# KiCad board BUDDY_v1.0.0.kicad_pcb (continued)
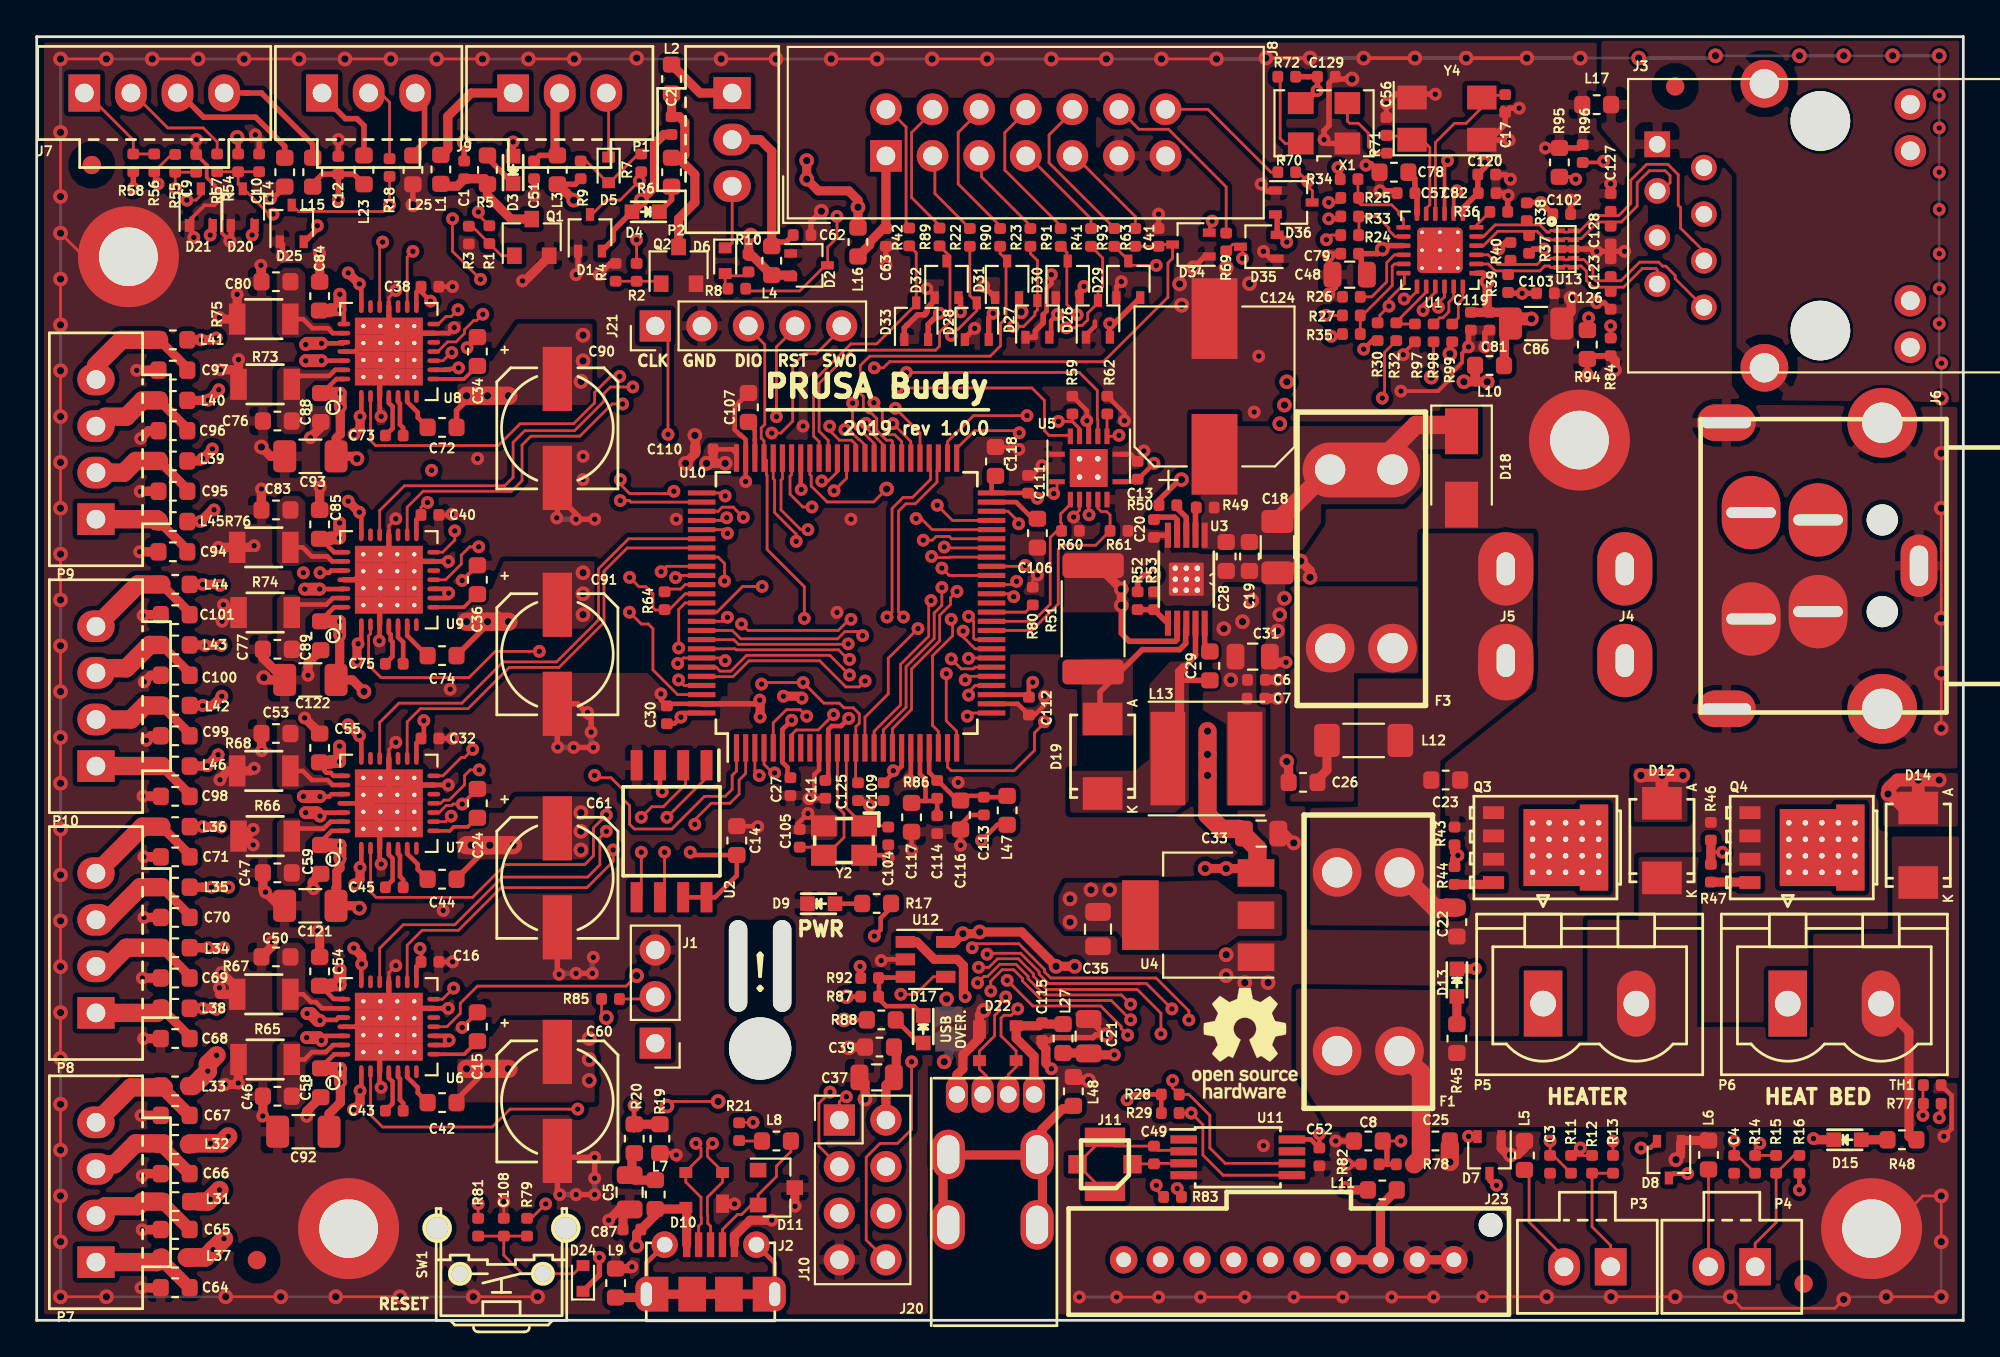
[diagram p0: board, top side]
## Placement (name value [footprint] x y rotation side) (continued)
R25  33R  [R_0402_1005Metric]  71.56 61.21 0 top
R26  10k  [R_0402_1005Metric]  71.65 55.81 0 top
R27  33R  [R_0402_1005Metric]  71.65 54.8 0 top
R28  1k5  [R_0402_1005Metric]  61.78 12.32 180 top
R29  1k5  [R_0402_1005Metric]  61.78 11.3 180 top
R30  1k5  [R_0402_1005Metric]  73.08 53.91 90 top
R32  33R  [R_0402_1005Metric]  74.1 53.91 90 top
R33  10k  [R_0402_1005Metric]  71.56 60.2 0 top
R34  10k  [R_0402_1005Metric]  71.52 62.23 0 top
R35  10k  [R_0402_1005Metric]  71.65 53.78 0 top
R36  12k1  [R_0402_1005Metric]  79.69 60.45 0 top
R37  49.9R  [R_0402_1005Metric]  81.34 58.67 90 top
R38  49.9R  [R_0402_1005Metric]  81.21 60.45 270 top
R39  49.9R  [R_0402_1005Metric]  80.19 56.54 90 top
R40  49.9R  [R_0402_1005Metric]  80.32 58.29 270 top
R41  100R  [R_0402_1005Metric]  57.46 59.05 270 top
R42  100R  [R_0402_1005Metric]  47.55 59.08 90 top
R43  100k  [R_0402_1005Metric]  77.27 26.41 90 top
R44  100R  [R_0402_1005Metric]  77.27 24.26 270 top
R45  10k  [R_0603_1608Metric]  77.4 15.37 270 top
R46  100k  [R_0402_1005Metric]  91.24 26.67 90 top
R47  100R  [R_0402_1005Metric]  91.24 24.38 270 top
R48  10k  [R_0603_1608Metric]  101.66 9.84 0 top
R49  100k  [R_0402_1005Metric]  63.68 44.32 180 top
R50  10k  [R_0402_1005Metric]  61.65 44.45 180 top
R51  60m  [R_2512_6332Metric]  57.57 38.25 90 top
R52  10k  [R_0402_1005Metric]  60 39.24 270 top
R53  10k  [R_0402_1005Metric]  60.89 39.24 90 top
R54  10k  [R_0402_1005Metric]  10.98 63.12 90 top
R55  1k8  [R_0402_1005Metric]  7.55 63.09 270 top
R56  1k8  [R_0402_1005Metric]  6.41 63.12 270 top
R57  100R  [R_0402_1005Metric]  9.84 63.12 270 top
R58  4k7  [R_0402_1005Metric]  5.26 63.12 90 top
R59  1k8  [R_0402_1005Metric]  56.44 49.91 270 top
R60  1k8  [R_0402_1005Metric]  56.34 43.05 180 top
R61  1k8  [R_0402_1005Metric]  58.98 43.05 180 top
R62  1k8  [R_0402_1005Metric]  58.35 49.91 270 top
R63  100R  [R_0402_1005Metric]  59.87 59.05 270 top
R64  1k  [R_0402_1005Metric]  34.22 39.24 90 top
R65  R22  [R_1206]  12.45 14.22 0 top
R66  R22  [R_1206]  12.45 26.41 0 top
R67  R22  [R_1206]  12.38 17.78 0 top
R68  R22  [R_1206]  12.38 29.96 0 top
R69  100R  [R_0402_1005Metric]  64.83 58.8 90 top
R70  100R  [R_0402_1005Metric]  68.13 62.61 180 top
R71  100R*  [R_0402_1005Metric]  73.59 64.13 270 top
R72  10k*  [R_0402_1005Metric]  68.13 67.82 180 top
R73  R22  [R_1206]  12.45 51.04 0 top
R74  R22  [R_1206]  12.45 38.6 0 top
R75  R22  [R_1206]  12.38 54.6 0 top
R76  R22  [R_1206]  12.38 42.15 0 top
R77  4k7  [R_0402_1005Metric]  103.31 11.81 180 top
R78  10k  [R_0402_1005Metric]  74.58 8.51 180 top
R79  1k  [R_0402_1005Metric]  26.73 5.08 90 top
R80  4k7  [R_0402_1005Metric]  54.28 39.5 270 top
R81  10k  [R_0402_1005Metric]  24.06 5.08 90 top
R82  1k  [R_0402_1005Metric]  72.68 8.51 180 top
R83  1k*  [R_0402_1005Metric]  61.91 6.73 180 top
R84  10k  [R_0402_1005Metric]  85.78 53.08 270 top
R85  4k7  [R_0402_1005Metric]  31.28 17.52 180 top
R86  0R  [R_0402_1005Metric]  49.08 28.95 90 top
R87  47k  [R_0402_1005Metric]  45.4 17.65 0 top
R88  620R  [R_0603_1608Metric]  46.03 16.38 0 top
R89  100R  [R_0402_1005Metric]  49.21 59.08 90 top
R90  100R  [R_0402_1005Metric]  52.51 59.05 90 top
R91  510R  [R_0402_1005Metric]  55.81 59.05 90 top
R92  0R  [R_0402_1005Metric]  45.4 18.67 180 top
R93  330R  [R_0402_1005Metric]  58.73 59.05 90 top
R94  620R  [R_0603_1608Metric]  84.51 53.21 90 top
R95  620R  [R_0603_1608Metric]  82.99 63.14 90 top
R96  10k  [R_0402_1005Metric]  84.26 63.63 90 top
R97  10k*  [R_0402_1005Metric]  75.11 53.85 270 top
R98  33R  [R_0402_1005Metric]  76.13 53.85 90 top
R99  33R  [R_0402_1005Metric]  77.15 53.85 90 top
REF**  -  [OSHW-Logo_5.7x6mm_SilkScreen]  65.84 15.11 0 top
REF**#2  -  [QR-code-8x8mm]  62.29 10.54 0 bottom
SW1  TACTA-64N-F  [TACT-90]  25.33 2.54 180 top
TH1  NTCG104LH104JTDS  [R_0402_1005Metric]  103.31 12.83 0 top
U1  LAN8742A-CZ-TR  [VQFN-24-1EP_4x4mm_P0.5mm_EP2.45x2.45mm_ThermalVias]  76.48 58.35 270 top
U2  W25Q64JVSSIQ  [SOIC8-wide]  34.6 26.67 270 top
U3  LM25011MY/NOPB  [SOP50P490X110-11N]  62.65 40.41 270 top
U4  NCP1117-3.3_SOT223  [SOT-223-3_TabPin2]  63.3 22.1 180 top
U5  AHCT125  [Texas_S-PVQFN-N14_ThermalVias]  57.33 46.48 270 top
U6  TMC2209-LA  [QFN-28_EP_5x5_Pitch0.5mm]  19.19 16.01 90 top
U7  TMC2209-LA  [QFN-28_EP_5x5_Pitch0.5mm]  19.19 28.19 90 top
U8  TMC2209-LA  [QFN-28_EP_5x5_Pitch0.5mm]  19.19 52.83 90 top
U9  TMC2209-LA  [QFN-28_EP_5x5_Pitch0.5mm]  19.19 40.38 90 top
U10  MCU-STM32F407VGT6(LQFP100)  [LQFP-100_14x14mm_P0.5mm]  44.14 39.12 90 top
U11  ST25DV64K  [TSSOP-8_4.4x3mm_P0.65mm]  65.46 8.89 0 top
U12  STMPS2141STR  [SOT-23-5]  48.44 19.68 0 top
U13  -  [DT1140-04LP]  83.37 58.42 270 top
X1  ASE-xxxMHz*  [Oscillator_SMD_EuroQuartz_XO53-4Pin_5.0x3.2mm]  70.16 65.28 0 top
Y2  Crystal  [Crystal-3.2x2.5mm]  44 26.16 0 top
Y4  ECS-250-20-30B-AGL-TR  [Crystal_SMD_Abracon_ABM3C-4Pin_5.0x3.2mm]  76.86 65.53 0 top

## Footprints (pads in the part's own frame, mm; a bottom-side part is the same pattern mirrored in y, then rotated)
apendix-1
  oval 5x1 hole 5x1 unplated: (-0.4,1.2) (-0.4,-1.2)
  round 3.4 hole 3.4 unplated: (4.1,0)
C_0402_1005Metric
  rrect 0.59x0.64 smd: 1(-0.485,0) 2(0.485,0)
C_0603_1608Metric
  rrect 0.875x0.95 smd: 1(-0.787,0) 2(0.787,0)
C_0805_2012Metric
  rrect 0.975x1.4 smd: 1(-0.938,0) 2(0.938,0)
C_1206_3216Metric
  rrect 1.25x1.75 smd: 1(-1.4,0) 2(1.4,0)
c_elec_6.3x7.7
  rect 3.5x1.6 smd: 1(-2.7,0) 2(2.7,0)
CP_Elec_8x10.5
  rect 4.4x2.5 smd: 1(-3.7,0) 2(3.7,0)
Crystal-3.2x2.5mm
  rect 1.4x1.15 smd: 1(1.1,0.8) 2(-1.1,0.8) 3(-1.1,-0.8) 4(1.1,-0.8)
Crystal_SMD_Abracon_ABM3C-4Pin_5.0x3.2mm
  rect 1.6x1.3 smd: 1(-1.9,-1.15) 2(1.9,-1.15) 3(1.9,1.15) 4(-1.9,1.15)
D_SMA
  rect 2.5x1.8 smd: 1(-2,0) 2(2,0)
D_SOD-523
  rect 0.6x0.7 smd: 1(-0.7,0) 2(0.7,0)
DO-214AC
  rect 1.778x2.159 smd: 1(-2.032,0) 2(2.032,0)
DT1140-04LP
  rect 0.25x0.625 smd: 1(-1,0.388) 1(-1,-0.388) 2(-0.5,0.388) 2(-0.5,-0.388) 4(0.5,0.388) 4(0.5,-0.388) 5(1,0.388) 5(1,-0.388)
  rect 0.45x0.575 smd: 3(0,0.412)
  rect 0.45x0.7 smd: 3(0,-0.35)
faston-hole-m
  oval 3x4 hole 1x1.8: 1(0,2.5) 1(0,-2.5)
Fiducial_1mm_Dia_2.54mm_Outer_CopperTop
  round 1 smd: ~(0,0)
Fuse-Keystone-3557-2
  round 2.65 hole 1.65: 1(-4.87,1.7) 1(-4.87,-1.7) 2(4.87,1.7) 2(4.87,-1.7)
HR911105A
  round 3.25 hole 3.25 unplated: (-5.715,0) (5.715,0)
  round 1.4 hole 0.9: 1(-4.45,6.35) 2(-3.18,8.89) 3(-1.91,6.35) 4(-0.64,8.89) 5(0.63,6.35) 6(1.9,8.89) 7(3.17,6.35)
  rect 1.4x1.4 hole 0.9: 8(4.44,8.89)
  round 1.72 hole 1.02: 9(-6.625,-4.9) 10(-4.085,-4.9) 11(4.085,-4.9) 12(6.625,-4.9)
  round 2.6 hole 1.6: 13(-7.745,3.05) 13(7.745,3.05)
IDC-Header_2x07_P2.54mm_Vertical
  rect 1.727x1.727 hole 1.016: 1(0,0)
  oval 1.727x1.727 hole 1.016: 2(2.54,0) 3(0,-2.54) 4(2.54,-2.54) 5(0,-5.08) 6(2.54,-5.08) 7(0,-7.62) 8(2.54,-7.62) 9(0,-10.16) 10(2.54,-10.16) 11(0,-12.7) 12(2.54,-12.7) 13(0,-15.24) 14(2.54,-15.24)
KPJX-4S
  round 1.7 hole 1.7 unplated: (-2.5,3.5) (2.5,3.5)
  oval 4x3.2 hole 0.6x2.7: 1(2.9,-3.65) 2(-2.9,-3.65) 3(2.5,0) 4(-2.5,0)
  oval 3.4x2 hole 2.2x1: 5(0,5.5)
  oval 2x3.2 hole 0.6x2.7: 6(-7.8,-5) 7(7.8,-5)
  round 3.8 hole 2.2: 8(-7.8,3.5) 9(7.8,3.5)
LED_0603
  rect 0.798x0.798 smd: 1(-0.749,0) 2(0.749,0)
LQFP-100_14x14mm_P0.5mm
  rect 1.5x0.28 smd: 1(-7.9,6) 2(-7.9,5.5) 3(-7.9,5) 4(-7.9,4.5) 5(-7.9,4) 6(-7.9,3.5) 7(-7.9,3) 8(-7.9,2.5) 9(-7.9,2) 10(-7.9,1.5) 11(-7.9,1) 12(-7.9,0.5) 13(-7.9,0) 14(-7.9,-0.5) 15(-7.9,-1) 16(-7.9,-1.5) 17(-7.9,-2) 18(-7.9,-2.5) 19(-7.9,-3) 20(-7.9,-3.5) 21(-7.9,-4) 22(-7.9,-4.5) 23(-7.9,-5) 24(-7.9,-5.5) 25(-7.9,-6) 51(7.9,-6) 52(7.9,-5.5) 53(7.9,-5) 54(7.9,-4.5) 55(7.9,-4) 56(7.9,-3.5) 57(7.9,-3) 58(7.9,-2.5) 59(7.9,-2) 60(7.9,-1.5) 61(7.9,-1) 62(7.9,-0.5) 63(7.9,0) 64(7.9,0.5) 65(7.9,1) 66(7.9,1.5) 67(7.9,2) 68(7.9,2.5) 69(7.9,3) 70(7.9,3.5) 71(7.9,4) 72(7.9,4.5) 73(7.9,5) 74(7.9,5.5) 75(7.9,6)
  rect 0.28x1.5 smd: 26(-6,-7.9) 27(-5.5,-7.9) 28(-5,-7.9) 29(-4.5,-7.9) 30(-4,-7.9) 31(-3.5,-7.9) 32(-3,-7.9) 33(-2.5,-7.9) 34(-2,-7.9) 35(-1.5,-7.9) 36(-1,-7.9) 37(-0.5,-7.9) 38(0,-7.9) 39(0.5,-7.9) 40(1,-7.9) 41(1.5,-7.9) 42(2,-7.9) 43(2.5,-7.9) 44(3,-7.9) 45(3.5,-7.9) 46(4,-7.9) 47(4.5,-7.9) 48(5,-7.9) 49(5.5,-7.9) 50(6,-7.9) 76(6,7.9) 77(5.5,7.9) 78(5,7.9) 79(4.5,7.9) 80(4,7.9) 81(3.5,7.9) 82(3,7.9) 83(2.5,7.9) 84(2,7.9) 85(1.5,7.9) 86(1,7.9) 87(0.5,7.9) 88(0,7.9) 89(-0.5,7.9) 90(-1,7.9) 91(-1.5,7.9) 92(-2,7.9) 93(-2.5,7.9) 94(-3,7.9) 95(-3.5,7.9) 96(-4,7.9) 97(-4.5,7.9) 98(-5,7.9) 99(-5.5,7.9) 100(-6,7.9)
MOLEX_559321010
  round 1.3 hole 1.3 unplated: (20,1.9)
  round 1.5 hole 0.8: 1(0,0) 2(2,0) 3(4,0) 4(6,0) 5(8,0) 6(10,0) 7(12,0) 8(14,0) 9(16,0) 10(18,0)
MountingHole_3.2mm_M3_ISO14580_Pad
  round 5.5 hole 3.2: 1(0,0)
NetTie-2_SMD_Pad0.5mm
  round 0.5 smd: 1(-0.5,0) 2(0.5,0)
Oscillator_SMD_EuroQuartz_XO53-4Pin_5.0x3.2mm
  rect 1.4x1.2 smd: 1(-1.27,-1.1) 2(1.27,-1.1) 3(1.27,1.1) 4(-1.27,1.1)
PhoenixContact_MSTBVA-G_02x5.08mm_Vertical
  rect 2.1x3.6 hole 1.4: 1(0,0)
  oval 2.1x3.6 hole 1.4: 2(5.08,0)
Pin_1x02-XL
  rect 2.032x1.727 hole 1.016: 1(0,0)
  oval 2.032x1.727 hole 1.016: 2(0,-2.54)
Pin_1x03-XL
  rect 2.032x1.727 hole 1.016: 1(0,0)
  oval 2.032x1.727 hole 1.016: 2(0,-2.54) 3(0,-5.08)
Pin_1x04-XL
  rect 2.032x1.727 hole 1.016: 1(0,0)
  oval 2.032x1.727 hole 1.016: 2(0,-2.54) 3(0,-5.08) 4(0,-7.62)
PinHeader_1x03_P2.54mm_Vertical
  rect 1.7x1.7 hole 1: 1(0,0)
  oval 1.7x1.7 hole 1: 2(0,-2.54) 3(0,-5.08)
PinHeader_1x05_P2.54mm_Vertical
  rect 1.7x1.7 hole 1: 1(0,0)
  oval 1.7x1.7 hole 1: 2(0,-2.54) 3(0,-5.08) 4(0,-7.62) 5(0,-10.16)
PinHeader_2x04_P2.54mm_Vertical
  rect 1.7x1.7 hole 1: 1(0,0)
  oval 1.7x1.7 hole 1: 2(2.54,0) 3(0,-2.54) 4(2.54,-2.54) 5(0,-5.08) 6(2.54,-5.08) 7(0,-7.62) 8(2.54,-7.62)
QFN-28_EP_5x5_Pitch0.5mm
  oval 0.7x0.25 smd: 1(-2.45,1.5) 2(-2.45,1) 3(-2.45,0.5) 4(-2.45,0) 5(-2.45,-0.5) 6(-2.45,-1) 7(-2.45,-1.5) 15(2.45,-1.5) 16(2.45,-1) 17(2.45,-0.5) 18(2.45,0) 19(2.45,0.5) 20(2.45,1) 21(2.45,1.5)
  oval 0.25x0.7 smd: 8(-1.5,-2.45) 9(-1,-2.45) 10(-0.5,-2.45) 11(0,-2.45) 12(0.5,-2.45) 13(1,-2.45) 14(1.5,-2.45) 22(1.5,2.45) 23(1,2.45) 24(0.5,2.45) 25(0,2.45) 26(-0.5,2.45) 27(-1,2.45) 28(-1.5,2.45)
  round 0.463 hole 0.231: 29(-1.387,1.387) 29(-1.387,0.463) 29(-1.387,-0.463) 29(-1.387,-1.387) 29(-0.463,1.387) 29(-0.463,0.463) 29(-0.463,-0.463) 29(-0.463,-1.387) 29(0.463,1.387) 29(0.463,0.463) 29(0.463,-0.463) 29(0.463,-1.387) 29(1.387,1.387) 29(1.387,0.463) 29(1.387,-0.463) 29(1.387,-1.387)
  rect 0.925x0.925 smd: 29(-1.387,1.387) 29(-1.387,0.463) 29(-1.387,-0.463) 29(-1.387,-1.387) 29(-0.463,1.387) 29(-0.463,0.463) 29(-0.463,-0.463) 29(-0.463,-1.387) 29(0.463,1.387) 29(0.463,0.463) 29(0.463,-0.463) 29(0.463,-1.387) 29(1.387,1.387) 29(1.387,0.463) 29(1.387,-0.463) 29(1.387,-1.387)
R_0402_1005Metric
  rrect 0.59x0.64 smd: 1(-0.485,0) 2(0.485,0)
R_0603_1608Metric
  rrect 0.875x0.95 smd: 1(-0.787,0) 2(0.787,0)
R_1206
  rect 0.9x1.7 smd: 1(-1.45,0) 2(1.45,0)
R_1806_4516Metric
  rrect 1.4x1.8 smd: 1(-2,0) 2(2,0)
R_2512_6332Metric
  rrect 1.35x3.35 smd: 1(-2.9,0) 2(2.9,0)
SOIC8-wide
  rect 1.65x0.65 smd: 1(-3.6,1.905) 2(-3.6,0.635) 3(-3.6,-0.635) 4(-3.6,-1.905) 5(3.6,-1.905) 6(3.6,-0.635) 7(3.6,0.635) 8(3.6,1.905)
SolderJumper-2_P1.3mm_Open_TrianglePad1.0x1.5mm
  custom 1.5x1.5 smd: 1(-0.725,0)
  custom 1.15x1.5 smd: 2(0.725,0)
SOP50P490X110-11N
  rect 1.372x0.33 smd: 1(-2.4,1) 2(-2.4,0.5) 3(-2.4,0) 4(-2.4,-0.5) 5(-2.4,-1) 6(2.4,-1) 7(2.4,-0.5) 8(2.4,0) 9(2.4,0.5) 10(2.4,1)
  rect 0.6x0.6 hole 0.3: 11(-0.6,0.6) 11(-0.6,0) 11(-0.6,-0.6) 11(0,0.6) 11(0,0) 11(0,-0.6) 11(0.6,0.6) 11(0.6,0) 11(0.6,-0.6)
  rect 1.73x1.9 smd: 11(0,0)
SOT143B
  rect 1x0.7 smd: 1(-0.75,-1)
  rect 0.6x0.7 smd: 2(0.95,-1) 3(0.95,1) 4(-0.95,1)
SOT-23
  rect 0.9x0.8 smd: 1(-1,0.95) 2(-1,-0.95) 3(1,0)
SOT-23-5
  rect 1.06x0.65 smd: 1(-1.1,0.95) 2(-1.1,0) 3(-1.1,-0.95) 4(1.1,-0.95) 5(1.1,0.95)
SOT-223-3_TabPin2
  rect 2x1.5 smd: 1(-3.15,2.3) 2(-3.15,0) 3(-3.15,-2.3)
  rect 2x3.8 smd: 2(3.15,0)
SOT-323_SC-70
  rect 0.7x0.45 smd: 1(-1,0.65) 2(-1,-0.65) 3(1,0)
SOT-669_LFPAK_alternate-numbers_VIA
  rect 0.7x1.15 smd: 1(1.905,-2.825) 2(-1.905,-2.825) 2(-0.635,-2.825) 2(0.635,-2.825)
  rect 0.9x0.9 hole 0.3: 3(-1.35,2.9) 3(-1.35,2) 3(-1.35,1.1) 3(-1.35,0.2) 3(-1.35,-0.7) 3(-0.45,2.9) 3(-0.45,2) 3(-0.45,1.1) 3(-0.45,0.2) 3(-0.45,-0.7) 3(0.45,2.9) 3(0.45,2) 3(0.45,1.1) 3(0.45,0.2) 3(0.45,-0.7) 3(1.35,2.9) 3(1.35,2) 3(1.35,1.1) 3(1.35,0.2) 3(1.35,-0.7)
  rect 4.7x1.55 smd: 3(0,2.65)
  rect 4.2x3.3 smd: 3(0,0.45)
TACT-90
  round 1.3 hole 0.9: 1(-2.261,0) 2(2.261,0)
  round 1.6 hole 1.2: 3(-3.505,-2.489) 4(3.505,-2.489)
Texas_S-PVQFN-N14_ThermalVias
  rect 0.82x0.82 smd: (-0.56,0.56) (-0.56,-0.56) (0.56,0.56) (0.56,-0.56)
  rect 0.28x0.85 smd: 1(-0.75,1.725) 7(-0.75,-1.725) 8(0.75,-1.725) 14(0.75,1.725)
  rect 0.85x0.28 smd: 2(-1.725,1) 3(-1.725,0.5) 4(-1.725,0) 5(-1.725,-0.5) 6(-1.725,-1) 9(1.725,-1) 10(1.725,-0.5) 11(1.725,0) 12(1.725,0.5) 13(1.725,1)
  round 0.6 hole 0.3: 15(-0.5,0.5) 15(-0.5,-0.5) 15(0.5,0.5) 15(0.5,-0.5)
  rect 2.05x2.05 smd: 15(0,0) 15(0,0)
TSSOP-8_4.4x3mm_P0.65mm
  rect 1.45x0.45 smd: 1(-2.95,0.975) 2(-2.95,0.325) 3(-2.95,-0.325) 4(-2.95,-0.975) 5(2.95,-0.975) 6(2.95,-0.325) 7(2.95,0.325) 8(2.95,0.975)
UFL-MOLEX-73412-0114
  rect 1x1 smd: 1(0,-1.5) 2(0,1.5)
  rect 1.05x2.2 smd: 2(-1.475,0) 2(1.475,0)
USB-A-vertical-MX-67329-8000
  oval 1.2x2 hole 0.9: 1(2.1,7.11) 2(0.7,7.11) 3(-0.7,7.11) 4(-2.1,7.11)
  oval 1.8x2.7 hole 1.2x2.1: 5(-2.57,3.84) 5(-2.57,0) 5(2.27,3.84) 5(2.27,0)
USB-micro
  rect 0.4x1.35 smd: 1(-1.3,4.15) 2(-0.65,4.15) 3(0,4.15) 4(0.65,4.15) 5(1.3,4.15)
  oval 1.2x1.9 hole 0.6x1.3: 6(-3.5,1.45) 6(3.5,1.45)
  rect 1.2x1.9 smd: 6(-2.9,1.45) 6(2.9,1.45)
  round 1.45 hole 0.85: 6(-2.5,4.15) 6(2.5,4.15)
  rect 1.5x1.9 smd: 6(-1,1.45) 6(1,1.45)
VLS6045EX
  rect 1.9x5.1 smd: 1(-2.1,0) 2(2.1,0)
VQFN-24-1EP_4x4mm_P0.5mm_EP2.45x2.45mm_ThermalVias
  custom 0.908x0.908 smd: (-0.49,0.49) (-0.49,-0.49) (0.49,0.49) (0.49,-0.49)
  rrect 0.775x0.25 smd: 1(-1.988,1.25) 2(-1.988,0.75) 3(-1.988,0.25) 4(-1.988,-0.25) 5(-1.988,-0.75) 6(-1.988,-1.25) 13(1.988,-1.25) 14(1.988,-0.75) 15(1.988,-0.25) 16(1.988,0.25) 17(1.988,0.75) 18(1.988,1.25)
  rrect 0.25x0.775 smd: 7(-1.25,-1.988) 8(-0.75,-1.988) 9(-0.25,-1.988) 10(0.25,-1.988) 11(0.75,-1.988) 12(1.25,-1.988) 19(1.25,1.988) 20(0.75,1.988) 21(0.25,1.988) 22(-0.25,1.988) 23(-0.75,1.988) 24(-1.25,1.988)
  round 0.5 hole 0.2: 25(-0.98,0.98) 25(-0.98,0) 25(-0.98,-0.98) 25(0,0.98) 25(0,0) 25(0,-0.98) 25(0.98,0.98) 25(0.98,0) 25(0.98,-0.98)
  rrect 2.45x2.45 smd: 25(0,0)
  rrect 2.46x2.46 smd: 25(0,0)

## Nets
24V2: C25.1 D12.1 D14.1 F1.1 P5.2 P6.2 R45.2 R48.2 R78.1
+3V3: C11.1 C14.1 C16.2 C27.1 C30.1 C32.2 C35.1 C37.1 C38.2 C39.1 C40.2 C48.1 C52.1 C79.1 C109.1 C110.1 C111.1 C112.1 C118.1 C129.1 D7.2 D8.2 D21.2 D24.1 D34.2 J1.1 J10.2 J10.6 L10.2 L11.1 L47.1 R13.1 R16.1 R17.2 R28.2 R29.2 R30.1 R33.1 R34.1 R35.1 R58.1 R72.1 R77.1 R81.2 R87.1 R88.1 U1.9 U2.3 U2.7 U2.8 U4.2 U6.15 U7.9 U7.15 U8.10 U8.15 U9.9 U9.10 U9.15 U10.6 U10.11 U10.19 U10.28 U10.50 U10.75 U10.100 U11.8 X1.4
+5V: C1.2 C2.2 C6.1 C7.1 C12.1 C13.1 C31.1 C33.1 D1.2 D2.2 D3.2 D4.2 D20.2 D25.2 D26.2 D27.2 D28.2 D29.2 D30.2 D31.2 D32.2 D33.2 D35.2 D36.2 JP1.2 L3.1 L4.1 L13.2 L15.1 L16.1 L23.1 R9.2 R10.2 R50.2 R52.1 R54.2 U4.3 U5.14 U12.5
+24V: C22.1 C23.1 F1.2 J5.1 L12.1
+24VMOT: C18.1 C19.1 C28.1 C42.1 C44.1 C54.1 C55.1 C58.1 C59.1 C60.1 C61.1 C72.1 C74.1 C84.1 C85.1 C88.1 C89.1 C90.1 C91.1 C92.1 C93.1 C121.1 C122.1 C124.1 D18.1 F3.1 R49.1 U3.1 U6.22 U6.28 U7.22 U7.28 U8.22 U8.28 U9.22 U9.28
/CPU/VDDA: C113.1 C116.1 L47.2 R86.2 U10.22
GND: C3.1 C4.1 C5.2 C6.2 C7.2 C8.2 C9.1 C10.2 C11.2 C12.2 C13.2 C14.2 C15.1 C16.1 C17.2 C18.2 C19.2 C20.2 C21.2 C22.2 C23.2 C24.1 C25.2 C26.2 C27.2 C28.2 C30.2 C31.2 C32.1 C33.2 C34.1 C35.2 C36.1 C37.2 C38.1 C39.2 C40.1 C41.2 C46.2 C47.2 C48.2 C50.2 C51.2 C52.2 C53.2 C54.2 C55.2 C56.2 C57.2 C58.2 C59.2 C60.2 C61.2 C62.2 C63.2 C64.1 C65.1 C66.1 C67.1 C68.1 C69.1 C70.1 C71.1 C76.2 C77.2 C78.2 C79.2 C80.2 C81.2 C82.2 C83.2 C84.2 C85.2 C86.2 C87.2 C88.2 C89.2 C90.2 C91.2 C92.2 C93.2 C94.1 C95.1 C96.1 C97.1 C98.1 C99.1 C100.1 C101.1 C102.2 C103.2 C104.2 C105.2 C106.2 C107.2 C108.2 C109.2 C110.2 C111.2 C112.2 C113.2 C114.2 C115.2 C116.2 C117.2 C118.2 C119.2 C120.2 C121.2 C122.2 C123.2 C124.2 C125.2 C126.2 C127.2 C128.2 C129.2 D1.1 D2.1 D7.1 D8.1 D9.1 D10.1 D11.3 D18.2 D20.1 D21.1 D22.1 D25.1 D26.1 D27.1 D28.1 D29.1 D30.1 D31.1 D32.1 D33.1 D34.1 D35.1 D36.1 J1.3 J2.5 J6.1 J6.3 J6.5 J6.6 J6.7 J6.8 J6.9 J8.11 J8.13 J10.7 J16.1 J17.1 J18.1 J19.1 J20.4 J21.2 J23.9 J23.10 L5.1 L6.1 L9.1 L14.1 L17.1 L25.1 L48.1 NT3.2 NT4.2 Q1.2 Q2.2 Q3.2 Q4.2 R3.2 R4.2 R19.2 R26.1 R36.2 R43.2 R46.2 R51.2 R53.2 R59.1 R60.1 R61.1 R62.1 R65.1 R66.1 R67.1 R68.1 R73.1 R74.1 R75.1 R76.1 R80.1 R82.2 R84.2 R94.1 R95.2 R96.2 R97.2 SW1.2 TH1.2 U1.25 U2.4 U3.5 U3.7 U3.11 U4.1 U5.1 U5.4 U5.7 U5.10 U5.13 U6.3 U6.9 U6.10 U6.13 U6.18 U6.25 U6.29 U7.3 U7.10 U7.13 U7.18 U7.25 U7.29 U8.3 U8.9 U8.13 U8.18 U8.25 U8.29 U9.3 U9.13 U9.18 U9.25 U9.29 U10.10 U10.20 U10.27 U10.74 U10.99 U11.4 U12.2 U13.3 X1.2 Y2.2 Y2.4 Y4.2 Y4.4
/CPU/BOOT0: NT3.1 R85.2 U10.94
/CPU/NRST: C41.1 C125.1 D34.3 J21.4 R63.2 R79.2 U10.14
/CPU/PA4_THERM-1: C4.2 R14.2 U10.29
/CPU/PA5_THERM-2: R77.2 TH1.1 U10.30
/CPU/PA6_THERM-PINDA: C9.2 R55.2 U10.31
/CPU/PA8_Z-MIN: C10.1 D20.3 R54.1 R57.2 U10.67
/CPU/PA9_USB-FS-VBUS: R19.1 R20.2 U10.68
/CPU/PA10_USB-FS-ID: R21.1 U10.69
/CPU/PB5: J23.2 U10.91
/CPU/PB8_SCL: J23.5 R28.1 U10.95 U11.6
/CPU/PB9_SDA: J23.6 R29.1 U10.96 U11.5
/CPU/PB10_SCK2: D30.3 R91.1 U10.47
/CPU/PC0_THERM-0: C3.2 R11.2 U10.15
/CPU/PC10_SCK: U2.6 U10.78
/CPU/PD0_X-DIR: U7.19 U10.81
/CPU/PD1_X-STEP: U7.16 U10.82
/CPU/PD2_Z-EN: U6.2 U10.83
/CPU/PD3_X-EN: U7.2 U10.84
/CPU/PD4_Z-STEP: U6.16 U10.85
/CPU/PD12_Y-DIR: U9.19 U10.59
/CPU/PD13_Y-STEP: U9.16 U10.60
/CPU/PD14_Y-EN: U9.2 U10.61
/CPU/PD15_Z-DIR: U6.19 U10.62
/CPU/PE0: J23.1 U10.97
/CPU/PE1_Y-Diag: U9.11 U10.98
/CPU/PE2_X-Diag: U7.11 U10.1
/CPU/PE3_Z-Diag: U6.11 U10.2
/CPU/PE4_USB-HS-OVERCURRENT: R92.2 U10.3
/CPU/PE5_USB-HS-PWR-EN: U10.4 U12.4
/CPU/RX_1: J23.4 R83.1 U10.93
/CPU/SWCLK: J21.1 U10.76
/CPU/SWDIO: J21.3 NT4.1 U10.72
/CPU/SWO: J21.5 U10.89
/CPU/TX_1: J23.3 R83.2 U10.92
/CPU/VREF+: C114.1 C117.1 R86.1 U10.21
/ETHERNET/EPHY_RST: U1.15 U10.39
/ETHERNET/ETH_LED1: J3.12 R96.1 U1.3
/ETHERNET/ETH_LED2: J3.9 R84.1 U1.2
/ETHERNET/ETH_RMII_CRS_DV: R27.1 U10.32
/ETHERNET/ETH_RMII_MDC: U1.13 U10.16
/ETHERNET/ETH_RMII_MDIO: R30.2 U1.12 U10.25
/ETHERNET/ETH_RMII_REF_CLK: R32.1 U10.24
/ETHERNET/ETH_RMII_RXD0: R24.1 U10.33
/ETHERNET/ETH_RMII_RXD1: R25.1 U10.34
/ETHERNET/ETH_RMII_TX_EN: U1.16 U10.48
/ETHERNET/ETH_RMII_TXD0: R98.1 U10.51
/ETHERNET/ETH_RMII_TXD1: R99.1 U10.52
/ETHERNET/RD_N: C128.1 J3.6 R37.2 U1.22 U13.2
/ETHERNET/RD_P: C127.1 J3.3 R38.2 U1.23 U13.1
/ETHERNET/TD_N: C126.1 J3.2 R39.2 U1.20 U13.5
/ETHERNET/TD_P: C123.1 J3.1 R40.2 U1.21 U13.4
/FANS/FAN-0-TACH: D1.3 R7.1 U10.41
/FANS/FAN-1-TACH: D2.3 R8.1 U10.45
/FLASH/FLASH-CSN: U2.1 U10.88
/FLASH/MISO: U2.2 U10.79
/FLASH/MOSI: U2.5 U10.80
/LEVEL_CONVERTER/BED-HEAT: R61.2 U5.12 U10.35
/LEVEL_CONVERTER/FAN-0: R62.2 U5.2 U10.42
/LEVEL_CONVERTER/FAN-1: R59.2 U5.5 U10.40
/LEVEL_CONVERTER/HEAT-0: R60.2 U5.9 U10.36
/PERIPHERALS/ESP-GPIO0: J10.3 U10.5
/PERIPHERALS/ESP-RST: J10.4 U10.7
/PERIPHERALS/ESP-Rx: J10.1 U10.63
/PERIPHERALS/ESP-Tx: J10.8 U10.64
/PERIPHERALS/FILAMENT_SENSOR: D25.3 R18.2 U10.90
/PERIPHERALS/LCD-BUZZER: D36.3 R70.1 U10.23
/PERIPHERALS/LCD-CS: D33.3 R42.1 U10.66
/PERIPHERALS/LCD-RS: D31.3 R90.1 U10.58
/PERIPHERALS/LCD-RST: D32.3 R89.1 U10.65
/PERIPHERALS/LCD-SW1: D28.3 R22.2 U10.43
/PERIPHERALS/LCD-SW2: D27.3 R23.2 U10.46
/PERIPHERALS/LCD-SW3: D26.3 R41.2 U10.44
/PERIPHERALS/MISO2: D35.3 R69.1 U10.17
/PERIPHERALS/MOSI2: D29.3 R93.1 U10.18
/POWER/BED_MON: C8.1 R78.2 R82.1 U10.26
/Trinamic driver/E-Diag: U8.11 U10.77
/Trinamic driver/E-DIR: U8.19 U10.55
/Trinamic driver/E-EN: U8.2 U10.57
/Trinamic driver/E-Step: U8.16 U10.56
/Trinamic driver/MOT-UART: R64.1 U6.14 U7.14 U8.14 U9.14 U10.87
BED-HEAT-5V: R46.1 R47.1 U5.11
FAN-0-5V: R1.1 U5.3
FAN-1-5V: R2.1 U5.6
HEAT-0-5V: R43.1 R44.1 U5.8
USB-FS_N: D10.3 J2.2 U10.70
USB-FS_P: D10.2 J2.3 U10.71
USB-HS_N: D22.3 J20.2 U10.53
USB-HS_P: D22.2 J20.3 U10.54
Net-(C1-Pad1): C1.1 L1.1 Q1.3 R5.1
Net-(C2-Pad1): C2.1 L2.1 Q2.3 R6.1
Net-(C5-Pad1): C5.1 L7.1 R20.1
Net-(C15-Pad2): C15.2 U6.8
Net-(C17-Pad1): C17.1 U1.4 Y4.3
Net-(C20-Pad1): C20.1 U3.4
Net-(C21-Pad1): C21.1 L27.1 U12.1
Net-(C24-Pad2): C24.2 U7.8
Net-(C26-Pad1): C26.1 F3.2 L12.2
Net-(C29-Pad1): C29.1 U3.10
Net-(C29-Pad2): C29.2 D19.1 L13.1 U3.9
Net-(C34-Pad2): C34.2 U8.8
Net-(C36-Pad2): C36.2 U9.8
Net-(C42-Pad2): C42.2 U6.6
Net-(C43-Pad1): C43.1 U6.4
Net-(C43-Pad2): C43.2 U6.5
Net-(C44-Pad2): C44.2 U7.6
Net-(C45-Pad1): C45.1 U7.4
Net-(C45-Pad2): C45.2 U7.5
Net-(C46-Pad1): C46.1 R65.2 U6.27
Net-(C47-Pad1): C47.1 R66.2 U7.27
Net-(C49-Pad1): C49.1 J11.2 U11.2
Net-(C49-Pad2): C49.2 J11.1 U11.3
Net-(C50-Pad1): C50.1 R67.2 U6.23
Net-(C51-Pad1): C51.1 L3.2 P1.2
Net-(C53-Pad1): C53.1 R68.2 U7.23
Net-(C56-Pad1): C56.1 R71.1 U1.5 Y4.1
Net-(C57-Pad1): C57.1 C78.1 U1.6
Net-(C62-Pad1): C62.1 L4.2 P2.2
Net-(C63-Pad1): C63.1 J8.1 L16.2
Net-(C64-Pad2): C64.2 L37.2 P7.1
Net-(C65-Pad2): C65.2 L31.2 P7.2
Net-(C66-Pad2): C66.2 L32.2 P7.3
Net-(C67-Pad2): C67.2 L33.2 P7.4
Net-(C68-Pad2): C68.2 L38.2 P8.1
Net-(C69-Pad2): C69.2 L34.2 P8.2
Net-(C70-Pad2): C70.2 L35.2 P8.3
Net-(C71-Pad2): C71.2 L36.2 P8.4
Net-(C72-Pad2): C72.2 U8.6
Net-(C73-Pad1): C73.1 U8.4
Net-(C73-Pad2): C73.2 U8.5
Net-(C74-Pad2): C74.2 U9.6
Net-(C75-Pad1): C75.1 U9.4
Net-(C75-Pad2): C75.2 U9.5
Net-(C76-Pad1): C76.1 R73.2 U8.27
Net-(C77-Pad1): C77.1 R74.2 U9.27
Net-(C80-Pad1): C80.1 R75.2 U8.23
Net-(C83-Pad1): C83.1 R76.2 U9.23
Net-(C87-Pad1): C87.1 D10.4 J2.1 JP1.1 L7.2
Net-(C94-Pad2): C94.2 L45.2 P9.1
Net-(C95-Pad2): C95.2 L39.2 P9.2
Net-(C96-Pad2): C96.2 L40.2 P9.3
Net-(C97-Pad2): C97.2 L41.2 P9.4
Net-(C98-Pad2): C98.2 L46.2 P10.1
Net-(C99-Pad2): C99.2 L42.2 P10.2
Net-(C100-Pad2): C100.2 L43.2 P10.3
Net-(C101-Pad2): C101.2 L44.2 P10.4
Net-(C102-Pad1): C81.1 C82.1 C86.1 C102.1 C103.1 C119.1 C120.1 J3.4 J3.5 L10.1 R37.1 R38.1 R39.1 R40.1 U1.1 U1.19
Net-(C104-Pad1): C104.1 U10.13 Y2.1
Net-(C105-Pad1): C105.1 U10.12 Y2.3
Net-(C106-Pad1): C106.1 U10.49
Net-(C107-Pad1): C107.1 U10.73
Net-(C108-Pad1): C108.1 D24.2 R79.1 R81.1 SW1.1
Net-(C115-Pad1): C115.1 D22.4 J20.1 L27.2
Net-(D3-Pad1): D3.1 R5.2
Net-(D4-Pad1): D4.1 R6.2
Net-(D5-Pad1): D5.1 P1.3
Net-(D5-Pad2): D5.2 R7.2 R9.1
Net-(D6-Pad1): D6.1 P2.3
Net-(D6-Pad2): D6.2 R8.2 R10.1
Net-(D7-Pad3): D7.3 R11.1 R12.2
Net-(D8-Pad3): D8.3 R14.1 R15.2
Net-(D9-Pad2): D9.2 R17.1
Net-(D11-Pad1): D11.1
Net-(D11-Pad2): D11.2 J2.4 L8.2
Net-(D12-Pad2): D12.2 D13.1 P5.1 Q3.3
Net-(D13-Pad2): D13.2 R45.1
Net-(D14-Pad2): D14.2 D15.1 P6.1 Q4.3
Net-(D15-Pad2): D15.2 R48.1
Net-(D17-Pad1): D17.1 R87.2 R92.1 U12.3
Net-(D17-Pad2): D17.2 R88.2
Net-(D19-Pad2): D19.2 R51.1 U3.8
Net-(D21-Pad3): D21.3 R55.1 R56.2
Net-(J1-Pad2): J1.2 R85.1
Net-(J2-Pad6): J2.6 L9.2
Net-(J3-Pad10): J3.10 R94.2
Net-(J3-Pad11): J3.11 R95.1
Net-(J3-Pad13): J3.8 J3.13 L17.2
Net-(J4-Pad1): J4.1 J6.2 J6.4
Net-(J7-Pad1): J7.1 R56.1 R58.2
Net-(J7-Pad2): J7.2 R57.1
Net-(J7-Pad3): J7.3 L14.2
Net-(J7-Pad4): J7.4 L15.2
Net-(J8-Pad2): J8.2 R42.2
Net-(J8-Pad3): J8.3 R22.1
Net-(J8-Pad4): J8.4 R89.2
Net-(J8-Pad5): J8.5 R23.1
Net-(J8-Pad6): J8.6 R90.2
Net-(J8-Pad7): J8.7 R41.1
Net-(J8-Pad8): J8.8 R91.2
Net-(J8-Pad9): J8.9 R63.1
Net-(J8-Pad10): J8.10 R93.2
Net-(J8-Pad12): J8.12 R69.2
Net-(J8-Pad14): J8.14 R70.2
Net-(J9-Pad1): J9.1 L23.2
Net-(J9-Pad2): J9.2 R18.1
Net-(J9-Pad3): J9.3 L25.2
Net-(J10-Pad5): J10.5
Net-(J12-Pad~{}): J12.~
Net-(J13-Pad~{}): J13.~
Net-(J14-Pad~{}): J14.~
Net-(J15-Pad~{}): J15.~
Net-(J20-Pad5): J20.5 L48.2
Net-(J23-Pad7): J23.7 J23.8 L11.2
Net-(L1-Pad2): L1.2 P1.1
Net-(L2-Pad2): L2.2 P2.1
Net-(L5-Pad2): L5.2 P3.2
Net-(L6-Pad2): L6.2 P4.2
Net-(L8-Pad1): L8.1 R21.2
Net-(L31-Pad1): L31.1 U6.26
Net-(L32-Pad1): L32.1 U6.24
Net-(L33-Pad1): L33.1 U6.21
Net-(L34-Pad1): L34.1 U7.26
Net-(L35-Pad1): L35.1 U7.24
Net-(L36-Pad1): L36.1 U7.21
Net-(L37-Pad1): L37.1 U6.1
Net-(L38-Pad1): L38.1 U7.1
Net-(L39-Pad1): L39.1 U8.26
Net-(L40-Pad1): L40.1 U8.24
Net-(L41-Pad1): L41.1 U8.21
Net-(L42-Pad1): L42.1 U9.26
Net-(L43-Pad1): L43.1 U9.24
Net-(L44-Pad1): L44.1 U9.21
Net-(L45-Pad1): L45.1 U8.1